# KiCad board RasPi.kicad_pcb (continued)
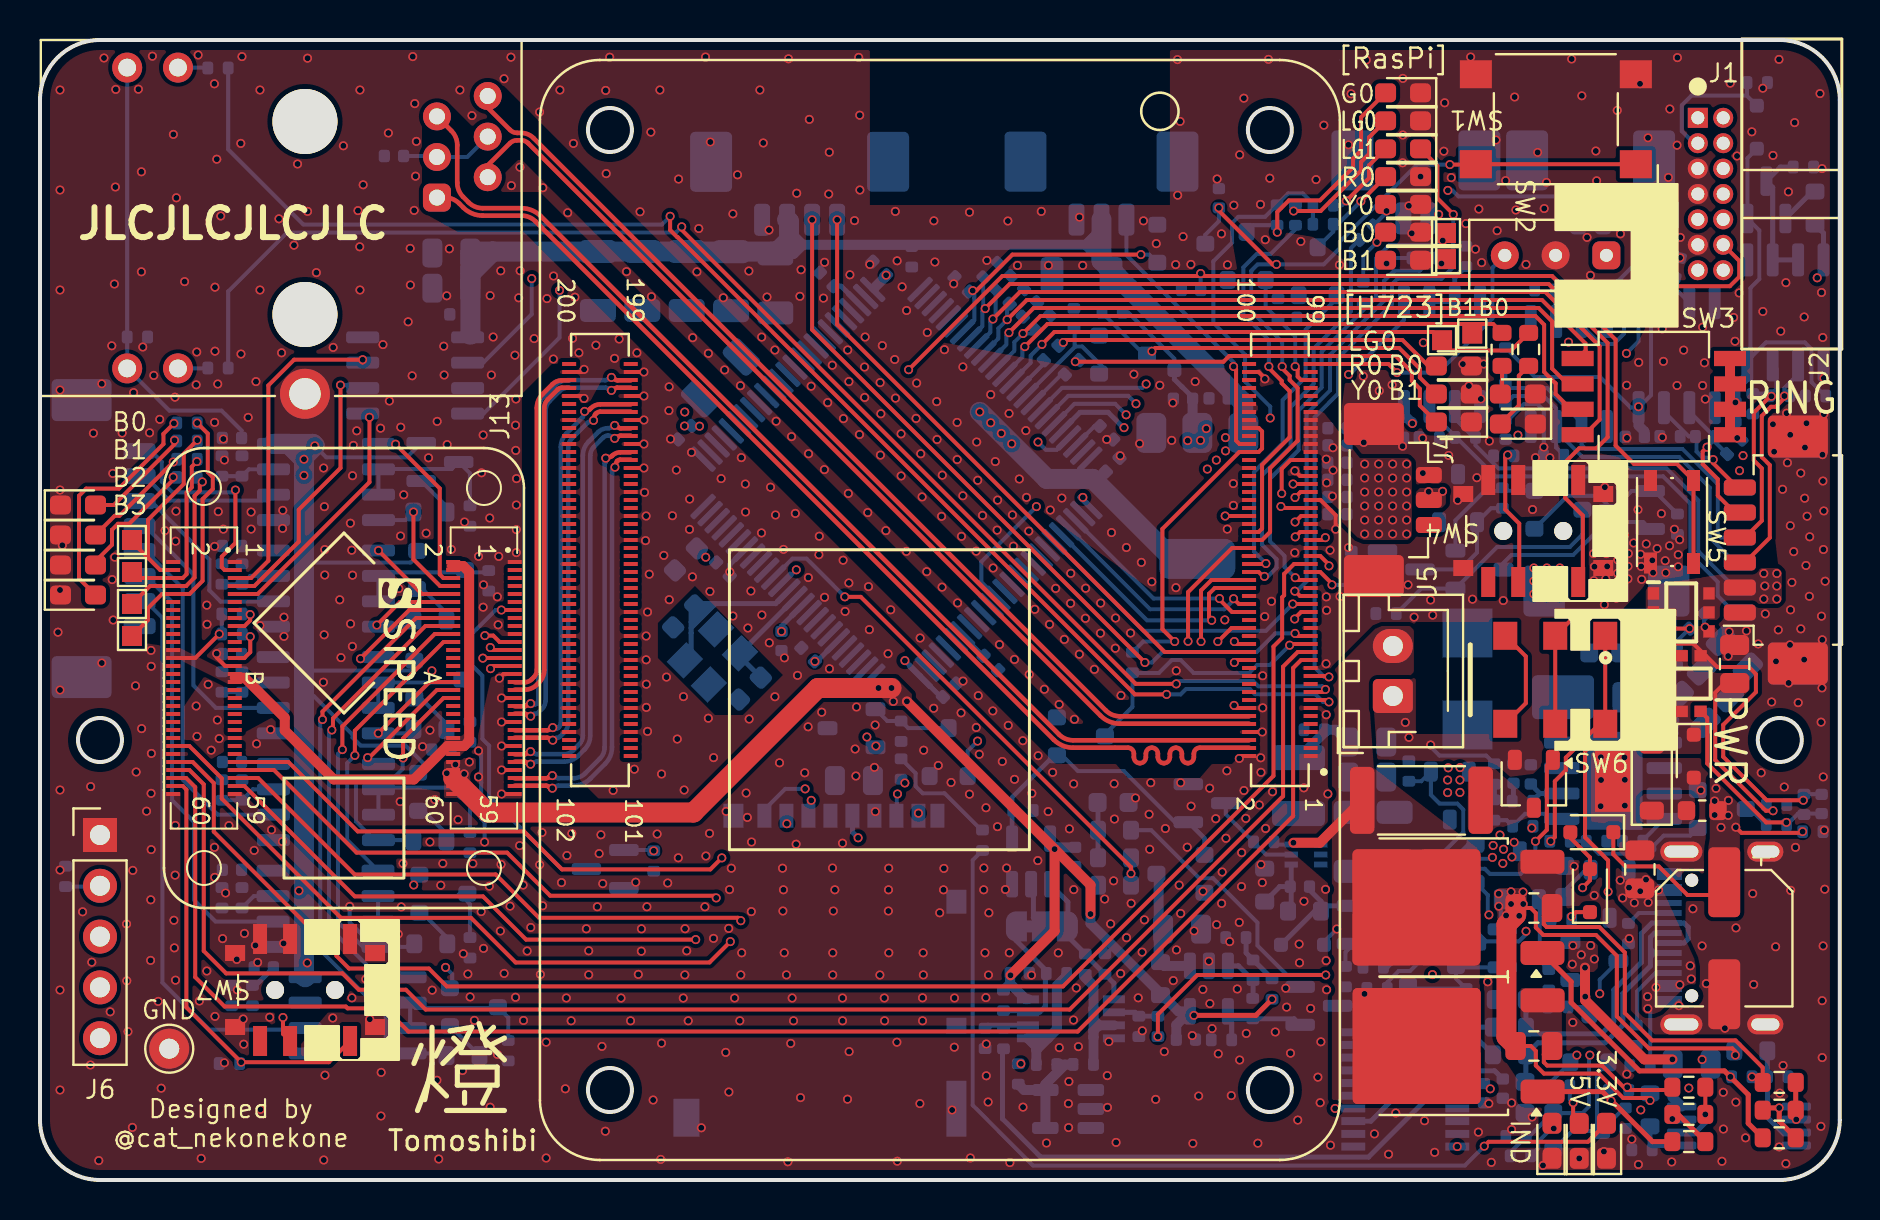
[diagram p0: board, top side]
## Nets (continued)
Net-(U24B--): R54.1 R57.1 U24.6

Pads without a net: J1 1 2 9 10 13 14; J4 3; J11 A8 B8; J12 A B; SW2 1; SW4 3; SW6 3; SW7 3; U1 3 5 9 11 16 18 19 20 24 35 36 64 68 70 72 73 76 82 89 91 92 93 94 96 97 100 101 102 103 104 105 106 109 110 111 112 115 116 117 118 121 122 123 124 127 128 129 130 133 134 135 136 139 140 141 142 143 145 146 147 148 149 151 152 153 154 157 158 159 160 163 164 165 166 169 170 171 172 176 178 182 184 188 190 199 200; U2 1; U3 4; U4 4; U6 1 2 5 7 8 9 10 17 18 19; U7 A3 A5 A7 A9 A11 A15 A17 A24 A26 A28 A30 A38 A40 A42 A44 B11 B12 B13 B14 B16 B18 B19 B20 B21 B22 B23 B30 B32 B33 B34 B35 B36 B37 B38 B39 B40 B41 B42 B43 B44 B46 B47 B49; U13 3; U14 1; U15 1 2 3 4 5 7 8 9 16 17 18 22 23 24 25 28 29 30 31 32 33 34 35 36 37 38 39 40 41 42 43 44 45 46 47 51 52 53 54 55 56 77 82 83 84 85 86 87 88 90 91 92 93 95 96 97 98; U18 7; U23 1 3

## Via types
v1: diameter 0.45, hole 0.3, Top to Bottom, 1398 vias

## Routing (per net, layer and track width the routed paths; a pad name or vN(x,y) marks a point on that pad's centre or on a via; arc(x,y) is an arc through that point)
+3.3V: length 324.5
  Top w0.2: SW7.2 12.15,7.31 12.15,8.06 12.22,8.12 ; SW4.2 73.97,29.95 73.97,32.82 73.27,33.52 73.27,36.13 v1(73.39,36.25)
  Top w0.5: SW3.8 SW3.5
  In2.Cu w0.2: v1(12.95,14.46) 13.22,14.73 18.67,14.73 v1(18.69,14.75) ; v1(12.15,8.12) 13.36,9.34 v1(13.36,10.86) 20.05,10.86 v1(20.28,10.63)
  In2.Cu w0.5: v1(32.98,37.69) 33.29,37.38 v1(33.29,31.14) ; v1(42.31,45.24) 42.31,43.09 ; 73.81,38.1 73.91,38 v1(73.91,37.24) 73.91,36.76 v1(73.39,36.25) ; 38.37,26.31 37.25,27.43 v1(37.08,27.43) ; 38.37,26.31 39.23,26.31 ; 38.37,26.31 v1(38.75,25.93) ; v1(38.75,25.93) 38.75,24.75 v1(41.8,21.7) ; v1(38.75,25.93) 38.84,25.93 48.59,35.68 v1(48.59,36.81) ; v1(43.25,25.97) 43.25,30.34
  In2.Cu w1: 41.3,43.09 20.12,43.09 v1(13.74,36.71) 13.2,36.17 v1(13.2,36.04) v1(13.2,35.23) ; 41.3,43.09 40.19,43.09 34.79,37.69 v1(32.98,37.69) ; 41.3,43.09 42.31,43.09 v1(48.59,36.81) ; 57.65,37.11 58.64,38.1 84,38.1 v1(84.78,38.88)
  Bottom w0.2: R109.1 54.41,43.38 56.73,41.06 D8.2 ; 19.12,31.45 18.54,30.88 13.16,30.88 12.95,31.08 ; 19.06,25.97 18.57,25.48 13.1,25.48 12.95,25.63 ; 19.11,15.26 18.69,14.85 v1(18.69,14.75) ; 19.17,20.36 19.17,20.83 18.28,21.72 16.03,21.72 15.63,22.12 15.63,22.26 13.71,24.18 13.2,24.18 ; R13.1 74.75,40.15 78.01,40.15 79.55,38.62 U4.8 80.56,39.24 80.56,44.88 81.3,45.62 81.3,47.3 81.63,47.63 Q1.2 ; v1(13.74,36.71) 14.31,36.14 18.35,36.14 Q19.2 ; R73.2 47.07,17.5 45.23,19.34 44.14,19.34 43.79,19.69 43.79,20.33 R106.2 ; C36.1 10.08,37.47 9.08,38.47 6.47,38.47 J13.14 J13.16 ; R96.1 89.28,39.2 88.58,39.89 88.58,41.55 88.25,41.88 86.31,41.88 85.37,40.95 U14.8 85.53,40.91 85.53,44.6 85.98,45.05 85.98,47.48 Q22.2 85.38,51.09 D1.2 ; R120.1 R114.2 63.65,48.83 63.15,49.33 62.41,49.33 61.86,48.78 R113.1 61.26,48.16 59.92,48.16 59.61,47.85 59.61,46.87 58.67,45.93 58.67,42.86 60.26,41.27 60.26,39.92 61.52,38.67 v1(61.52,38.1) ; v1(20.28,10.63) 20.61,10.3 20.61,9.98
  Bottom w0.25: v1(43.25,25.97) 44.01,25.21 U15.100 45.05,24.15 C6.1 ; U15.6 38.85,25.93 v1(38.75,25.93) ; C25.1 57.64,39.13 57.11,39.66 57.11,39.66 56.73,40.03 D8.2 ; U15.11 37.08,27.7 v1(37.08,27.43) ; C14.1 11.67,10.62 10.78,9.73 R26.1
  Bottom w0.5: U14.8 85.37,40.19 84.78,39.6 v1(84.78,38.88) ; 68.62,37.89 68.58,37.89 68.2,38.27 U3.8 68.2,38.3 67.23,37.32 C12.1 ; U4.8 79.93,37.73 80.23,37.43 80.23,37.16 ; v1(42.31,45.24) 42.31,45.19 41.71,44.6 ; C25.1 57.64,37.59 U16.2
  Bottom w1: v1(13.2,36.04) v1(13.2,35.23) 13.2,10.2 U5.8 ; v1(13.2,36.04) 13.2,36.17 v1(13.74,36.71) 13.64,36.81 U12.8 12.43,36.81 v1(13.2,36.04) ; U16.2 56.64,31.06 52.64,35.05 50.35,35.05 v1(46.99,38.41)
  vias: v1(32.24,38.4) v1(32.23,37.7) v1(41.35,22.15) v1(47.54,37.86) v1(48.07,37.33) v1(57.39,36.97) v1(58.03,36.98) v1(58.32,37.57) v1(68.62,37.83) v1(79.93,38.67) v1(84.87,37.1)
+5V: length 205.4
  Top w0.25: v1(61.61,9.04) 60.8,8.23 v1(57.7,8.23)
  Top w0.5: v1(52.53,13.3) 52.53,14.75 v1(50.74,16.54) ; v1(50.74,16.54) 50.74,12.44 v1(48.53,10.23) ; v1(50.74,16.54) v1(43.35,23.93) ; v1(77.26,10.62) 77.26,9.18 v1(77.27,9.17) 77.27,8.98 80.22,6.03 v1(81.63,6.03)
  Top w1: U7.A56 22.39,18.38 32.67,18.38 38.9,24.6 v1(42.58,24.6)
  In2.Cu w0.2: v1(77.27,9.17) 77.27,6.76 76.85,6.34 v1(76.85,6.25)
  In2.Cu w0.5: R123.2 48.53,6.2 v1(48.53,10.23)
  In2.Cu w1: 65.45,27.55 65.45,23 68.4,20.05 ; v1(58.82,36) 58.73,35.9 55.8,35.9 44.5,24.6 v1(42.58,24.6)
  In2.Cu w2: 77.11,11.01 73.51,11.01 70.7,13.82 70.7,16.4 ; 70.7,16.4 70.7,19.74 70.39,20.05 68.4,20.05 70.7,17.75 70.7,16.4 ; 65.45,27.55 66.94,29.04 66.94,33.16
  Bottom w0.2: v1(72.45,13.26) 72.4,13.31 72.4,14.25 71.79,14.86 ; 70.78,31.47 70.78,32.98 72.26,34.46 Q17.2 ; R72.2 75.48,4.83 Q9.2 76.53,5.93 v1(76.85,6.25)
  Bottom w0.25: 53.25,12.11 R136.2 ; 57.5,8.43 v1(57.7,8.23)
  Bottom w0.5: J10.2 37.36,47.54 38.14,46.76 ; 49.4,9.05 49.28,9.05 48.51,9.82 ; C49.1 48.51,9.82 ; 48.51,9.82 R137.2 ; C71.2 81.64,4.13 U22.8 ; C47.1 56.82,7.75 57.5,8.43 56.93,8.43 52.53,12.83 v1(52.53,13.3) ; C72.2 50.83,16.64 v1(50.74,16.54) ; 38.14,46.76 52.29,46.76 ; 38.14,46.76 37.68,46.31 36.77,46.31 ; 52.29,46.76 53.08,47.55 J9.2 ; 52.29,46.76 53.08,45.97
  Bottom w1: 22.63,46.42 21.59,46.42 C64.1 21.52,42.27 ; 22.63,46.42 21.52,45.31 C53.1 ; 22.63,46.42 36.65,46.42 36.77,46.31 37.46,46.99 37.46,47.91 J10.2 ; J9.2 53.08,45.97 60.17,38.88 U16.3
  vias: v1(20.34,20.34) v1(20.77,20.77) v1(21.21,20.31) v1(21.47,20.9) v1(41.93,24.6) v1(42.67,23.93) v1(49.05,5.81) v1(58.37,35.55) v1(59.28,37.12) v1(59.28,36.46) v1(64.32,36.04) v1(64.34,34.86) v1(64.66,36.62) v1(64.66,35.49) v1(64.63,34.19) v1(66.24,35.8) v1(66.24,35.1) v1(66.24,34.4) v1(66.24,33.7) v1(66.24,33) v1(66.24,32.3) v1(66.94,35.8) v1(66.94,35.1) v1(66.94,34.4) v1(66.94,33.7) v1(66.94,33) v1(66.94,32.3) v1(67.64,35.8) v1(67.64,35.1) v1(67.64,34.4) v1(67.64,33.7) v1(67.64,33) v1(67.64,32.3) v1(68.34,35.8) v1(68.34,35.1) v1(68.34,34.4) v1(68.34,33.7) v1(68.34,33) v1(68.34,32.3) v1(70.39,20) v1(70.39,19.37) v1(70.42,20.61) v1(71.01,20.62) v1(71,20) v1(71,19.38) v1(76.65,11.72) v1(76.62,10.79) v1(77.07,11.26) v1(77.54,11.73) v1(77.73,11.05)
/FPGA_TangPrimerCore/3.3V_TangPrimer: length 28.4
  Top w0.2: v1(8.96,27.3) 7.76,26.1 6.66,26.1
  Top w0.5: 9.74,25.11 10.24,25.11 12.24,23.11 12.24,22.48 14.69,20.03 18.7,20.03 20.37,21.7 21.21,21.7 21.46,21.95 21.46,30.4 21.16,30.7 20.6,30.7
  Bottom w0.2: R85.2 R86.2 v1(8.96,27.3)
/Power/VBUS_UV: length 6.9
  Bottom w0.25: JP1.1 48.8,11.99 50.32,10.47 R146.1 50.27,10.28 50.27,8.67 49.98,8.39 U24.7 49.31,8.47 R137.1
/Power/VDD_UV: length 7.1
  Bottom w0.25: U25.1 51.4,13.9 51.4,12.17 R147.1 52.27,11.27 53.7,9.84 U24.1
GND: length 38.1
  Top w0.2: U1.71 63.01,35.2 v1(62.75,35.46) ; v1(27.2,39.08) 27.08,39.2 U1.192 ; v1(23.08,24.1) U7.A35 ; U1.14 59.84,23.6 v1(59.71,23.73) ; U1.65 64.03,34 64.79,33.24 v1(64.79,32.54) ; U1.179 v1(30.2,36.8) ; U1.173 v1(30.2,35.6) ; v1(23.08,21.7) U7.A47 ; v1(61.25,40.05) 61.25,40.09 60.94,40.4 U1.98 ; 9.74,25.7 9.26,25.7 8.83,26.12 v1(8.83,26.32) ; U1.185 v1(30.2,38) ; v1(22.97,25.09) 23.18,25.3 U7.A29 ; U1.8 v1(61.12,22.4) ; v1(59.97,21.08) 60.1,21.2 U1.2 ; v1(23.08,20.5) U7.A53 ; v1(27.21,40.53) 27.08,40.4 U1.198 ; U1.191 v1(30.2,39.2) ; U7.A41 v1(23.08,22.9) ; v1(23.08,19.3) U7.A59 ; U1.197 v1(30.2,40.4)
  In2.Cu w0.2: v1(62.75,35.46) 62.58,35.46 62.38,35.26 61.51,35.26 61.07,34.82 v1(59.67,34.82) ; v1(30.2,36.8) 29.96,36.56
  Bottom w0.2: C11.2 73.42,38 73.95,38.53 73.95,38.54 74.21,38.8 74.88,38.8 75.2,38.48 v1(75.2,36.65) ; v1(22.23,16.9) 22.23,17.9 22.06,18.07 22.06,19.87 ; v1(17.91,12.3) 16.07,12.3 15.49,12.88 v1(15.49,13.68) ; v1(21.93,21.46) 22.06,21.33 22.06,19.87 ; v1(69.54,21.75) 69.54,21.66 69.98,21.22 72.32,21.22 R122.2 ; 22.06,19.87 22.06,20.02 v1(21.93,20.15)
  Bottom w0.25: U15.19 34.49,30.76 34.49,30.41 v1(34.49,30.41) 34.49,30.4 C63.2
  vias: v1(0.9,27.39) v1(1,54.5) v1(1,49.5) v1(1,44.5) v1(1,39.5) v1(1,34.5) v1(1,29.5) v1(1,24.5) v1(1,19.5) v1(1,15.5) v1(1,9.5) v1(1,4.5) v1(1.12,31.73) v1(2.13,13.41) v1(2.53,19.67) v1(2.59,10.89) v1(2.52,5.75) v1(2.67,37.34) v1(2.94,0.97) v1(3.09,39.81) v1(3.09,25.85) v1(3.2,56.1) v1(3.59,41.71) v1(3.51,8.41) v1(3.64,35.33) v1(3.61,30.02) v1(3.66,28) v1(3.79,54.53) v1(3.77,49.65) v1(3.72,44.8) v1(3.73,31.14) v1(4.11,37.35) v1(4.33,12.8) v1(4.34,9.96) v1(4.4,7.42) v1(4.68,39.37) v1(4.64,15.48) v1(4.62,2.63) v1(4.78,24.71) v1(4.81,20.4) v1(4.92,54.54) v1(5.07,50.41) v1(5.07,45.41) v1(5.08,22.57) v1(5.14,41.65) v1(5.33,18.44) v1(5.48,37.36) v1(5.55,26.48) v1(5.56,25.68) v1(5.57,21.33) v1(5.55,19.33) v1(5.56,16.52) v1(5.54,14.01) v1(5.53,10.98) v1(5.62,56.19) v1(5.69,40.23) v1(5.99,38.03) v1(5.91,8.93) v1(6.06,4.59) v1(6.25,32.47) v1(6.67,52.28) v1(6.7,12.99) v1(6.75,39.14) v1(6.8,33.44) v1(6.78,31.94) v1(6.77,17.73) v1(6.76,15.24) v1(6.72,11.61) v1(6.78,9.99) v1(6.82,49.11) v1(7.23,44.92) v1(7.84,41.4) v1(7.81,39.76) v1(7.81,23.7) v1(7.85,22.18) v1(7.91,56.25) v1(7.97,8.95) v1(8.06,1.08) v1(8.34,28.74) v1(8.35,27.78) v1(8.34,10.45) v1(8.41,24.78) v1(8.56,21.49) v1(8.72,54.81) v1(8.75,44.64) v1(8.75,41.44) v1(8.73,37.88) v1(8.73,31.68) v1(8.72,16.64) v1(8.74,15.13) v1(8.75,8.18) v1(8.84,51.04) v1(8.89,39.8) v1(8.87,23) v1(8.91,33.42) v1(8.96,22.07) v1(9.04,48.2) v1(9.17,37.05) v1(9.17,32.55) v1(9.13,12.07) v1(9.22,36) v1(9.28,14.35) v1(9.22,5.86) v1(9.45,17.72) v1(9.84,11.03) v1(9.86,9.51) v1(10.1,56.17) v1(10.04,51.83) v1(10.05,41.3) v1(10.16,8.05) v1(10.19,6.79) v1(10.22,12.33) v1(10.41,38.13) v1(10.55,33.4) v1(10.56,32.55) v1(10.8,39.92) v1(10.71,16.48) v1(10.77,11.73) v1(10.83,21.81) v1(10.88,10.88) v1(11,54.5) v1(11,44.5) v1(11,27.72) v1(11.02,3.53) v1(11.49,8.14) v1(11.53,22.52) v1(11.58,17.51) v1(11.95,48.06) v1(12.08,41.36) v1(12.14,33.48) v1(12.13,32.58) v1(12.2,28.14) v1(12.2,27.18) v1(12.12,16.92) v1(12.18,11.83) v1(12.7,46.74) v1(12.88,50.8) v1(13.38,56.09) v1(13.38,48.43) v1(13.47,6.53) v1(13.82,45.37) v1(14.18,35.6) v1(14.17,24.89) v1(14.19,1) v1(14.22,33.67) v1(14.24,31.52) v1(14.24,30.25) v1(14.21,27.26) v1(14.25,5.24) v1(14.58,7.08) v1(14.66,41.63) v1(14.64,8.1) v1(14.99,29.01) v1(15.05,26.12) v1(15.17,51.71) v1(15.52,32.84) v1(15.59,31.49) v1(15.53,27.81) v1(15.6,9.11) v1(15.67,36.73) v1(15.63,35.22) v1(15.63,30.24) v1(15.62,26.68) v1(15.9,48.47) v1(15.84,37.46) v1(16,54.5) v1(15.99,46.66) v1(16,44.5) v1(16.16,49.76) v1(16.29,10.04) v1(16.49,8.04) v1(16.79,6.59) v1(17.03,37.59) v1(17.06,5.38) v1(17.05,3.2) v1(17.15,41.77) v1(17.42,52.35) v1(17.47,38.95) v1(17.94,29.57) v1(18.04,37.64) v1(18.03,32.2) v1(18.01,18.92) v1(18.07,13.65) v1(18.19,34.26) v1(18.15,15.83) v1(18.41,42.91) v1(18.51,46.58) v1(18.52,44.75) v1(18.64,56.17) v1(18.61,40.21) v1(18.74,53.82) v1(18.78,50.19) v1(18.71,48.48) v1(18.82,51.93) v1(19.13,21.67) v1(19.31,32.34) v1(19.43,36.11) v1(19.5,22.49) v1(19.5,16.9) v1(19.6,25.46) v1(19.61,9.49) v1(19.74,19.02) v1(19.86,37.93) v1(19.85,4.99) v1(19.94,1.05) v1(20.04,14.74) v1(20.19,41.69) v1(20.14,15.83) v1(20.21,40.25) v1(20.34,44.21) v1(20.36,36.77) v1(20.47,46.56) v1(20.57,31.53) v1(21,54.5) v1(20.91,18.02) v1(21.17,11.31) v1(21.13,5.47) v1(21.23,32.9) v1(21.4,10.3) v1(21.6,53.22) v1(21.51,9.15) v1(21.65,15.82) v1(21.72,7.98) v1(21.93,31.18) v1(22.08,35.36) v1(22.06,13.42) v1(22.16,37.25) v1(22.18,29.76) v1(22.16,28.64) v1(22.18,11.58) v1(22.49,33.1) v1(22.47,14.69) v1(22.51,44.22) v1(22.57,40.25) v1(22.51,3.64) v1(22.66,42.15) v1(22.87,29.16) v1(22.87,6.28) v1(22.94,31.18) v1(22.91,27.76) v1(23.04,45.46) v1(23.05,15.78) v1(23.02,12.45) v1(23.2,55.06) v1(23.21,10.33) v1(23.55,56.14) v1(23.57,49.72) v1(23.5,13.69) v1(23.75,41.24) v1(23.8,39.05) v1(23.78,37.74) v1(23.79,36.48) v1(23.78,9.14) v1(23.83,35.07) v1(23.82,33.75) v1(23.82,32.52) v1(23.82,31.37) v1(24,50.64) v1(23.94,44.11) v1(23.98,16.72) v1(24.01,45.46) v1(24.16,14.75) v1(24.18,7.98) v1(24.36,11.45) v1(24.54,12.63) v1(24.71,42.07) v1(24.98,53.4) v1(24.99,15.77) v1(25.02,10.28) v1(25.14,49.61) v1(25.1,17.37) v1(25.13,13.71) v1(25.35,44.07) v1(25.31,6.89) v1(25.31,1.1) v1(25.68,45.2) v1(25.67,41.05) v1(26,54.5) v1(26.08,14.87) v1(26.27,4.56) v1(26.39,48.36) v1(26.35,16.22) v1(26.32,9.1) v1(26.59,17.33) v1(26.56,7.96) v1(26.67,51.83) v1(26.63,42.08) v1(26.75,44.14) v1(26.95,41.36) v1(27.32,12.56) v1(27.44,11.46) v1(27.44,10.26) v1(27.8,41.74) v1(27.87,13.66) v1(27.96,16.32) v1(28.05,17.26) v1(28.1,6.68) v1(28.14,14.82) v1(28.29,54.48) v1(28.27,2.44) v1(28.31,50.32) v1(28.49,56.14) v1(28.66,19.48) v1(28.73,41.08) v1(28.96,42.05) v1(29.05,9.1) v1(29.33,45.42) v1(29.53,7.96) v1(29.72,20.54) v1(29.79,14.89) v1(29.85,41.36) v1(29.92,10.28) v1(30.01,48.41) v1(30.07,12.56) v1(30.07,11.44) v1(30.23,34.38) v1(30.28,31.97) v1(30.31,33.2) v1(30.38,28.4) v1(30.31,27.2) v1(30.31,26.01) v1(30.32,24.79) v1(30.32,23.63) v1(30.38,22.43) v1(30.35,13.66) v1(30.47,30.29) v1(30.55,52.4) v1(30.58,44.17) v1(30.66,4) v1(30.86,17.3) v1(31,54.5) v1(31.08,20.3) v1(31.08,6.84) v1(31.04,1.03) v1(31.2,31.23) v1(31.33,25.15) v1(31.39,14.85) v1(31.46,39.66) v1(31.45,38.47) v1(31.46,29.01) v1(31.53,37.05) v1(31.62,33.21) v1(31.82,35.5) v1(31.87,22.05) v1(31.93,50.05) v1(31.92,16.11) v1(32.18,24.17) v1(32.17,9.1) v1(32.21,19.5) v1(32.26,12.56) v1(32.24,10.25) v1(32.34,11.46) v1(32.48,34.05) v1(32.48,32.53) v1(32.41,7.96) v1(32.58,36.38) v1(32.64,42.12) v1(32.62,30.16) v1(32.85,45.41) v1(32.94,47.57) v1(33.07,2.61) v1(33.28,56.15) v1(33.3,16.2) v1(33.25,13.66) v1(33.42,41.33) v1(33.5,29.43) v1(33.42,23.09) v1(33.48,17.33) v1(33.52,51.9) v1(33.68,21.12) v1(33.68,12.08) v1(34.06,35.07) v1(34.17,44.11) v1(34.23,40.5) v1(34.29,6.38) v1(34.31,18.43) v1(34.48,14.52) v1(34.44,12.58) v1(34.45,4.4) v1(34.57,15.59) v1(34.65,48.31) v1(34.65,28.2) v1(34.73,9.1) v1(34.88,50.26) v1(34.99,7.96) v1(35.03,39.72) v1(35.07,36.12) v1(35.09,11.36) v1(35.04,10.25) v1(35.27,34.8) v1(35.28,33.4) v1(35.4,27.6) v1(35.31,19.35) v1(35.37,18.13) v1(35.45,45.45) v1(35.46,23.05) v1(35.55,29.45) v1(35.58,16.9) v1(35.57,13.42) v1(36,54.5) v1(36.09,42.15) v1(36.08,32.35) v1(36.1,28.25) v1(36.17,51.85) v1(36.35,44.15) v1(36.45,47.5) v1(36.47,26.86) v1(36.53,34.64) v1(36.75,41.5) v1(36.78,33.25) v1(36.75,24.16) v1(36.81,37.94) v1(36.98,20.86) v1(37.18,31.53) v1(37.13,15.59) v1(37.18,14.51) v1(37.15,13.45) v1(37.23,26.11) v1(37.22,11.36) v1(37.33,10.25) v1(37.4,0.91) v1(37.43,56.06) v1(37.58,37.17) v1(37.54,6.83) v1(37.61,9.1) v1(37.68,7.96) v1(37.77,33.33) v1(37.84,49.34) v1(37.88,25.23) v1(37.81,16.79) v1(38,44.18) v1(38.06,45.51) v1(38.03,4.12) v1(38.24,20.36) v1(38.47,53.03) v1(38.43,36.31) v1(38.42,30.12) v1(38.41,22.66) v1(38.56,39.69) v1(38.97,32.19) v1(38.95,31.27) v1(39.09,23.39) v1(39.18,44.09) v1(39.23,45.89) v1(39.22,35.52) v1(39.23,29.14) v1(39.39,38.87) v1(39.47,51.39) v1(39.44,49.3) v1(39.48,25.56) v1(39.62,40.74) v1(39.63,15.6) v1(39.67,13.45) v1(39.64,11.36) v1(39.64,10.25) v1(39.75,14.51) v1(40.18,38.07) v1(40.16,30.99) v1(40.13,16.84) v1(40.13,9.1) v1(40.13,7.96) v1(40.26,28.43) v1(40.39,41.5) v1(40.38,4.04) v1(40.5,45.26) v1(40.45,39.92) v1(40.42,34.33) v1(40.45,29.85) v1(40.46,6.42) v1(40.73,47.97) v1(40.76,21.55) v1(40.8,20.2) v1(40.83,23.65) v1(40.94,56.13) v1(40.99,53.24) v1(41,49.5) v1(40.98,37.27) v1(41.26,42.15) v1(41.23,40.65) v1(41.24,39.13) v1(41.39,33.37) v1(41.5,45.78) v1(41.43,29.67) v1(41.47,27.52) v1(41.76,22.75) v1(41.73,20.63) v1(41.77,18.42) v1(42,10.25) v1(42.01,39.87) v1(42.05,38.31) v1(42.02,36.25) v1(42.12,41.72) v1(42.3,32.47) v1(42.22,9.1) v1(42.23,7.96) v1(42.41,26.31) v1(42.44,15.59) v1(42.43,14.51) v1(42.42,13.45) v1(42.45,11.36) v1(42.54,28.51) v1(42.77,48.43) v1(42.74,41.03) v1(42.78,39.09) v1(42.86,45.96) v1(42.85,6.89) v1(42.87,0.94) v1(43.06,37.31) v1(43.06,35.2) v1(43.11,44.66) v1(43.33,43.48) v1(43.32,31.43) v1(43.84,39.85) v1(43.81,38.08) v1(44,3.82) v1(44.04,36.31) v1(44.01,27.1) v1(44.11,34.15) v1(44.19,21.49) v1(44.16,11.36) v1(44.17,10.25) v1(44.13,9.11) v1(44.13,7.96) v1(44.37,42.38) v1(44.34,30.42) v1(44.7,47.96) v1(44.69,23.59) v1(44.75,45.9) v1(44.84,38.92) v1(44.86,37.02) v1(44.92,20.73) v1(44.99,13.36) v1(45.08,33.18) v1(45.12,35.24) v1(45.11,29.64) v1(45.2,15.58) v1(45.18,14.51) v1(45.23,41.52) v1(45.56,19.88) v1(45.69,44.81) v1(45.61,3.5) v1(45.73,9.1) v1(45.72,6.64) v1(45.86,37.88) v1(45.86,36.02) v1(45.89,28.85) v1(46.08,32.18) v1(46.06,23.36) v1(46.15,40.66) v1(46.15,34.21) v1(46.16,24.95) v1(46.48,48.39) v1(46.48,19.29) v1(46.52,1.1) v1(46.84,36.9) v1(46.89,34.99) v1(46.81,31.44) v1(46.82,22.62) v1(46.92,24.22) v1(46.97,21.28) v1(47.13,33.23) v1(47.2,15.6) v1(47.19,14.51) v1(47.25,11.36) v1(47.3,9.12) v1(47.35,45.98) v1(47.3,18.61) v1(47.32,6.8) v1(47.32,5.21) v1(47.45,13.36) v1(47.43,10.25) v1(47.41,3.9) v1(47.54,39.27) v1(47.66,30.6) v1(47.65,23.45) v1(47.77,35.92) v1(47.89,34) v1(47.86,32.5) v1(47.88,17.67) v1(47.98,26.77) v1(48.12,20.93) v1(48.28,14.52) v1(48.4,47.95) v1(48.33,15.6) v1(48.46,38.33) v1(48.42,22.73) v1(48.47,11.36) v1(48.5,0.87) v1(48.63,33.25) v1(48.67,31.69) v1(48.73,26.03) v1(48.73,20.03) v1(48.88,45.73) v1(48.97,35.05) v1(49.15,21.97) v1(49.16,3.65) v1(49.3,37.47) v1(49.33,34.13) v1(49.45,32.44) v1(49.47,25.28) v1(49.6,19.33) v1(49.58,10.24) v1(49.74,28.53) v1(49.9,15.97) v1(49.91,21.22) v1(50.07,48.43) v1(50.22,24.54) v1(50.33,1.85) v1(50.43,45.73) v1(50.48,27.78) v1(50.42,18.42) v1(50.52,33.5) v1(50.64,20.38) v1(50.79,29.58) v1(50.96,23.78) v1(50.92,11.36) v1(50.97,6.62) v1(51.1,34.1) v1(51.22,27.03) v1(51.48,17.56) v1(51.45,4.92) v1(51.43,3.82) v1(51.43,2.62) v1(51.54,30.34) v1(51.53,28.83) v1(51.69,19.81) v1(51.69,14.52) v1(51.68,8) v1(51.73,23.04) v1(51.82,9.6) v1(51.98,48.14) v1(51.97,26.29) v1(51.93,6.67) v1(52.14,45.73) v1(52.29,29.59) v1(52.28,28.09) v1(52.72,25.53) v1(53.04,28.85) v1(53.03,27.34) v1(53.24,14.05) v1(53.34,37.03) v1(53.37,5.22) v1(53.38,3.63) v1(53.45,6.92) v1(53.58,32.37) v1(53.54,12.81) v1(53.69,14.96) v1(53.78,28.1) v1(53.77,26.59) v1(53.71,19.81) v1(53.73,18.05) v1(53.81,1.88) v1(54.02,36.21) v1(54.05,24.23) v1(54.04,10.32) v1(54.33,31.62) v1(54.33,12.11) v1(54.53,27.35) v1(54.56,13.83) v1(54.7,40.29) v1(54.78,19.1) v1(54.99,36.82) v1(54.92,9.11) v1(55.07,30.88) v1(55.18,47.96) v1(55.11,11.4) v1(55.12,7.46) v1(55.23,13.01) v1(55.46,18.29) v1(55.49,16.54) v1(55.6,29.91) v1(55.54,19.86) v1(55.79,4.03) v1(55.82,46.82) v1(56,39.74) v1(56.27,17.57) v1(56.22,6.42) v1(56.59,36.98) v1(56.65,38.86) v1(56.67,9.97) v1(56.79,45.77) v1(56.88,56.02) v1(56.89,49.24) v1(56.8,29.62) v1(56.82,25.46) v1(56.83,11.51) v1(56.96,14.75) v1(57.01,52.93) v1(57.04,19.86) v1(57.04,13.33) v1(57.16,47.17) v1(57.37,16.64) v1(57.55,45.78) v1(57.56,18.69) v1(57.62,7.22) v1(57.65,1.83) v1(57.76,39.92) v1(57.71,12.45) v1(57.94,4.2) v1(58.16,14.43) v1(58.15,9.53) v1(58.49,19.59) v1(58.45,10.94) v1(58.5,8.82) v1(58.61,7.57) v1(58.79,18.07) v1(58.86,50.05) v1(58.84,12.77) v1(58.92,6.31) v1(59.08,47.31) v1(59.09,13.83) v1(59.12,15.4) v1(59.25,28.01) v1(59.38,45.76) v1(59.37,32.55) v1(59.35,20.46) v1(59.3,17.09) v1(59.49,11.92) v1(59.57,4.22) v1(59.7,48.74) v1(59.67,33.73) v1(59.87,9.55) v1(59.99,51.26) v1(59.97,12.88) v1(59.99,6) v1(60.09,16.37) v1(60.08,14.67) v1(60.2,54.09) v1(60.2,19.48) v1(60.3,18.08) v1(60.32,7.33) v1(60.9,1.84) v1(60.97,18.75) v1(61.03,48.78) v1(61.04,21.11) v1(61.05,20.38) v1(61.05,15.77) v1(61.14,25.21) v1(61.14,23.61) v1(61.12,14.87) v1(61.27,47.01) v1(61.24,28.17) v1(61.29,17.58) v1(61.43,56.03) v1(61.5,50.09) v1(61.58,28.94) v1(61.63,19.41) v1(61.77,7.4) v1(62.29,9.59) v1(62.34,8.64) v1(62.53,6.34) v1(62.74,31.37) v1(62.9,3) v1(62.96,11.8) v1(62.98,10.86) v1(63.05,46.93) v1(63.2,19.61) v1(63.2,13.94) v1(63.54,8.58) v1(63.81,50.02) v1(63.9,5.14) v1(64.05,6.91) v1(64.02,3.87) v1(64.2,52.74) v1(64.28,14.53) v1(64.32,29.16) v1(64.34,28.48) v1(64.31,25.81) v1(64.32,23.26) v1(64.31,10.97) v1(64.34,9.51) v1(64.4,19.3) v1(64.51,31.49) v1(64.53,1.74) v1(64.98,45.76) v1(65.01,29.17) v1(65.43,51.76) v1(65.43,31.62) v1(65.56,54.31) v1(66.17,40.19) v1(66.2,36.88) v1(66.32,56) v1(66.73,2.31) v1(66.97,39.46) v1(67.44,1.29) v1(67.61,39.76) v1(67.8,3.35) v1(68.15,55.08) v1(68.15,52.25) v1(68.14,50.86) v1(68.14,36.69) v1(68.27,22.88) v1(68.45,48.71) v1(68.41,29.76) v1(68.46,22.13) v1(68.59,47.34) v1(68.71,28.15) v1(69.03,50.17) v1(69.17,41.87) v1(69.14,37.09) v1(69.15,35.34) v1(69.23,2.96) v1(69.54,29) v1(69.64,28.24) v1(69.63,10.27) v1(69.74,1.38) v1(70.2,51.44) v1(70.24,53.86) v1(70.44,36.23) v1(70.57,50.12) v1(70.89,33.99) v1(71.15,40.8) v1(71.3,47.82) v1(71.45,39.7) v1(71.54,56.15) v1(71.63,29.04) v1(71.78,46.54) v1(71.85,35.12) v1(71.95,48.55) v1(71.93,2.39) v1(72.09,45.87) v1(72.05,39.05) v1(72.2,40.8) v1(72.4,9.91) v1(72.48,36.95) v1(72.45,3.82) v1(72.57,0.88) v1(72.81,52) v1(72.86,47.47) v1(73.17,28.97) v1(73.29,49.97) v1(73.59,3.85) v1(73.59,2.53) v1(73.74,54.15) v1(73.8,48.5) v1(74.31,45.78) v1(74.64,33.52) v1(74.62,3.15) v1(74.78,36.12) v1(74.89,51.38) v1(75.16,0.73) v1(75.22,48.57) v1(75.33,49.88) v1(75.5,36.11) v1(75.68,34.59) v1(76.43,41.89) v1(76.59,56.05) v1(76.65,7.88) v1(76.71,15.68) v1(76.97,1.08) v1(77.1,54.21) v1(77.25,48.44) v1(77.36,47.13) v1(77.53,45.23) v1(77.69,31.32) v1(77.7,29.26) v1(77.8,51.45) v1(77.73,30.67) v1(77.7,29.97) v1(77.72,14.23) v1(77.84,49.96) v1(78.05,21.14) v1(78.06,20) v1(78.04,18.69) v1(78.11,31.89) v1(78.25,34.64) v1(78.3,30.06) v1(78.29,29.43) v1(78.23,28.77) v1(78.2,1.42) v1(78.32,31.32) v1(78.37,30.68) v1(78.64,32.22) v1(78.87,53.48) v1(78.9,49.44) v1(78.88,31.64) v1(78.9,31.01) v1(78.88,30.34) v1(78.87,29.73) v1(78.83,29.09) v1(79.03,47.31) v1(79.01,34.64) v1(79.23,32.26) v1(79.23,21.13) v1(79.25,20.01) v1(79.25,18.72) v1(79.34,39.73) v1(79.36,37.11) v1(79.35,5.3) v1(79.42,31.33) v1(79.41,30.68) v1(79.41,30.05) v1(79.47,12.07) v1(79.6,2.04) v1(79.69,31.85) v1(79.95,40.88) v1(79.91,33.52) v1(79.93,0.78) v1(80.01,54.81) v1(80.03,31.29) v1(80.06,30.68) v1(80.09,30.03) v1(80.05,3.5) v1(80.32,31.81) v1(80.41,52.11) v1(80.44,49.13) v1(80.69,47.67) v1(80.63,30.98) v1(80.66,30.37) v1(80.86,31.57) v1(81.08,33.32) v1(81.12,42.55) v1(81.18,40.93) v1(81.13,37.14) v1(81.27,30.97) v1(81.3,30.36) v1(81.5,53.55) v1(81.43,50.13) v1(81.49,31.71) v1(81.59,0.9) v1(81.73,32.54) v1(81.88,56.12) v1(81.86,51.74) v1(81.86,39.73) v1(81.99,32.02) v1(81.92,31.27) v1(81.92,30.66) v1(81.95,8.72) v1(82.02,47.13) v1(82.01,46.11) v1(82.19,41.5) v1(82.45,4.6) v1(82.65,13.56) v1(83.05,19.48) v1(83.14,42.64) v1(83.14,39.72) v1(83.11,11.7) v1(83.12,6.02) v1(83.23,40.86) v1(83.27,39.04) v1(83.33,9.82) v1(84.17,4.38) v1(84.18,2.55) v1(84.11,0.94) v1(84.25,7.59) v1(84.46,27.41) v1(84.42,26.2) v1(84.52,54.84) v1(84.69,43.13) v1(84.76,41.94) v1(84.86,51.2) v1(84.81,12.6) v1(84.8,3.89) v1(84.97,44.35) v1(84.99,35.47) v1(85.16,36.22) v1(85.29,2.11) v1(85.33,27.45) v1(85.6,52.41) v1(85.65,14.32) v1(85.69,9.78) v1(85.92,26.8) v1(86.07,20.36) v1(86.15,54.59) v1(86.15,43.42) v1(86.27,28.31) v1(86.59,23.9) v1(86.66,51.23) v1(86.66,37.79) v1(86.71,36.42) v1(86.79,11.66) v1(86.81,25.93) v1(86.96,56.03) v1(86.92,27.51) v1(86.99,4.34) v1(86.97,1.65) v1(87.05,42.44) v1(87.14,34.54) v1(87.16,5.73) v1(87.22,19.65) v1(87.3,44.87) v1(87.34,38.34) v1(87.38,35.86) v1(87.3,0.82) v1(87.43,49.41) v1(87.44,24.85) v1(87.52,37.26) v1(87.52,32.72) v1(87.53,28.51) v1(87.51,26.75) v1(87.54,14.48) v1(87.7,31.42) v1(87.6,29.88) v1(87.74,52.87) v1(87.78,16.63) v1(87.92,23.87) v1(88.05,35.35) v1(88.05,27.56) v1(88.22,43.15) v1(88.26,36.62) v1(88.24,34.09) v1(88.22,26.02) v1(88.33,37.84) v1(88.36,33.19) v1(88.31,30.73) v1(88.49,32.16) v1(88.48,29.18) v1(89.01,54.32) v1(89.08,44.38) v1(89.08,28.19) v1(89.06,22.89) v1(89.05,2.68) v1(89.11,50.57) v1(89.15,42.12) v1(89.13,36.27) v1(89.16,34.95) v1(89.2,33.45) v1(89.18,31.53) v1(89.12,27.01) v1(89.11,24.6) v1(89.17,20.16) v1(89.17,11.7) v1(89.12,8.97) v1(89.12,6.12) v1(89.2,40.1) v1(89.2,38.3) v1(89.27,29.94) v1(89.22,17.49) v1(89.25,14.54)
VBUS: length 43.7
  In2.Cu w0.5: v1(80.39,9.17) 80.39,7.32 77.63,4.56 v1(72.52,4.56)
  Bottom w0.2: v1(80.4,8.57) 80.52,8.45 R44.2
  Bottom w0.25: C61.1 72.18,4.85 U6.15 70.14,4.85 66.44,1.15 50.04,1.15 48.13,3.06 48.13,6.51 R54.2
  vias: v1(79.02,14.99) v1(79.14,14.1) v1(79.46,14.62) v1(79.72,13.86) v1(80.02,14.44) v1(80.31,15.02) v1(80.42,13.88) v1(80.81,9.63) v1(80.94,14.5) v1(82,9.76) v1(82.52,10.71) v1(82.57,10.05)
VCC: length 11.2
  Top w0.2: v1(88.14,17.42) 88.08,17.36 85.08,17.36 v1(84.8,17.64) ; D4.1 78.67,16.28 79.28,15.68 80.95,15.68 82.38,14.25 83.58,14.25 C29.1
  vias: v1(83.74,18.95) v1(83.74,18.25) v1(83.81,19.58) v1(84.06,17.63) v1(84.43,18.98) v1(84.42,18.23)
VDD: length 62.1
  Top w0.2: v1(55.9,7.17) 55.9,8.28 57.87,10.25 v1(64.29,10.25) ; v1(86.66,18.46) 86.3,18.46 83.77,21 83.77,24.37 84.25,24.85 C27.1 ; D7.2 80.56,21.81 77.63,21.81 77.26,21.44 77.26,17.13 78.41,15.98 v1(78.41,14.42)
  In2.Cu w0.2: v1(78.41,14.42) 78.41,10.47 77.63,9.7 77.05,9.7 76.71,9.35 68.25,9.35 67.35,10.25 v1(64.29,10.25)
  Bottom w0.2: v1(64.29,10.25) 64.28,10.26 62.35,10.26 60.88,11.73 60.88,12.87 58.66,15.09 57.97,15.09 55.57,17.49 R68.1
+BATT:
  vias: v1(86.2,30.33) v1(86.2,29.05) v1(86.25,29.7) v1(86.85,30.33) v1(86.85,29.7) v1(86.85,29.05)